# Altium PCB focDriver.PcbDoc (part 1 of 2)
Units mil, origin at the board's own origin, x right, y up, seen from the top; angles counter-clockwise.
Board outline 2559.06 x 1574.8 mil, 4 copper layers (Top Layer, Power, Gnd, Bottom Layer), stack 23.756 mil thick; 219 components, 171 nets, 804 pads, 460 vias.
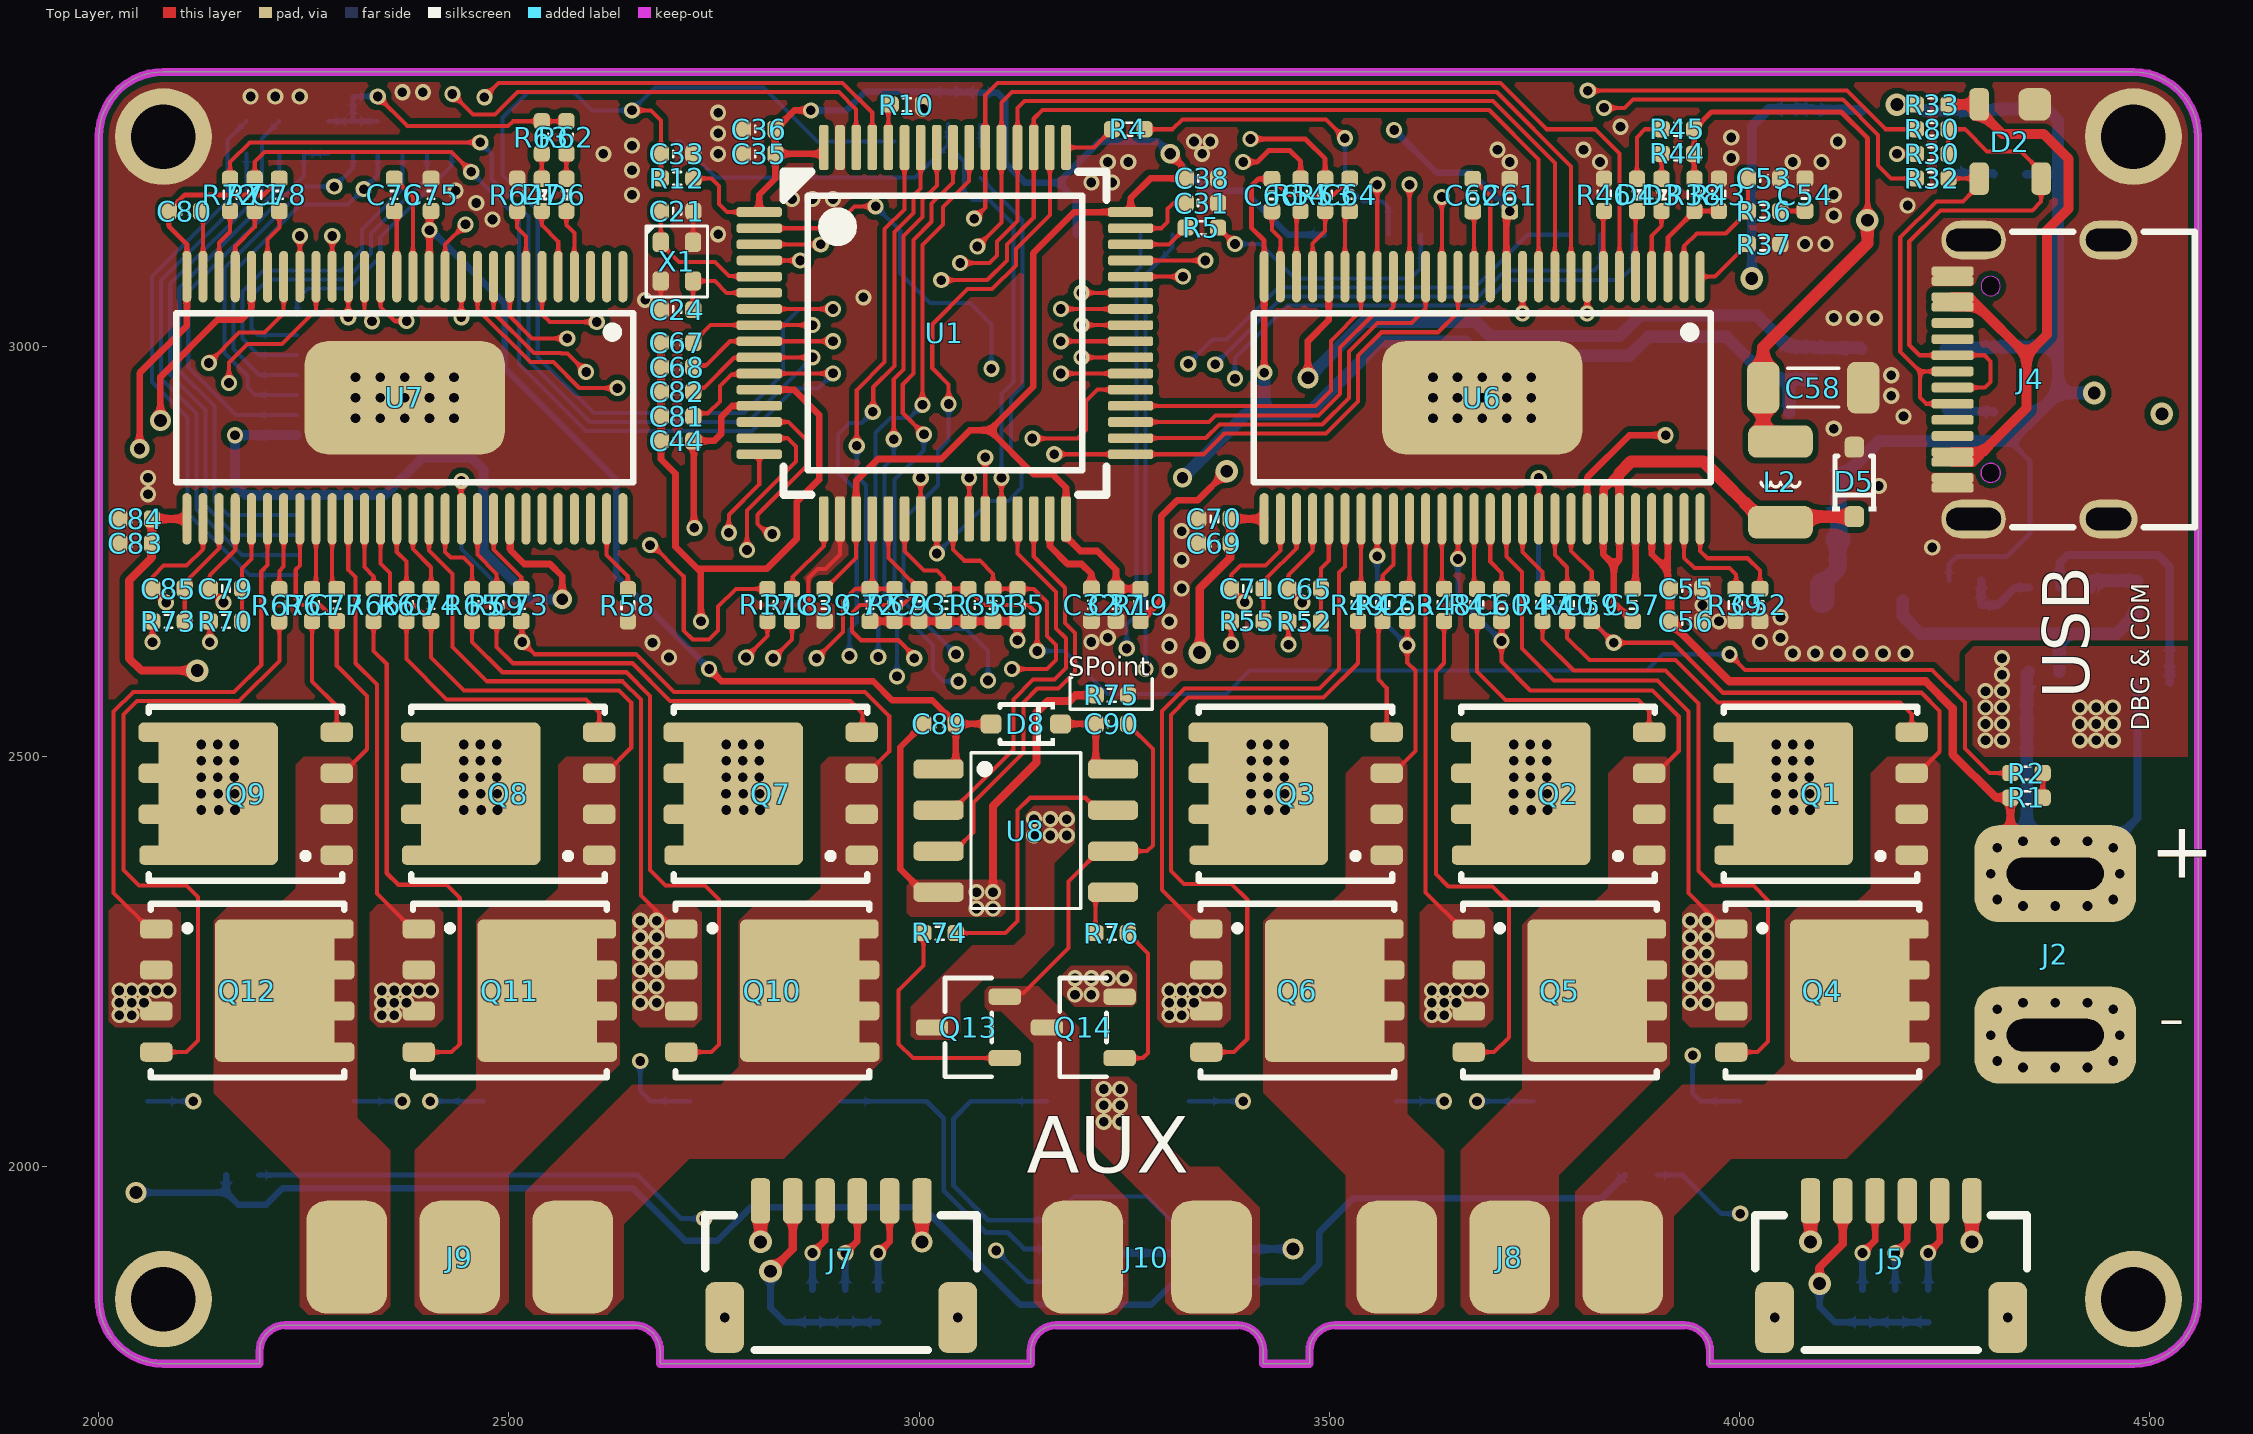
[diagram p0: Top Layer view]
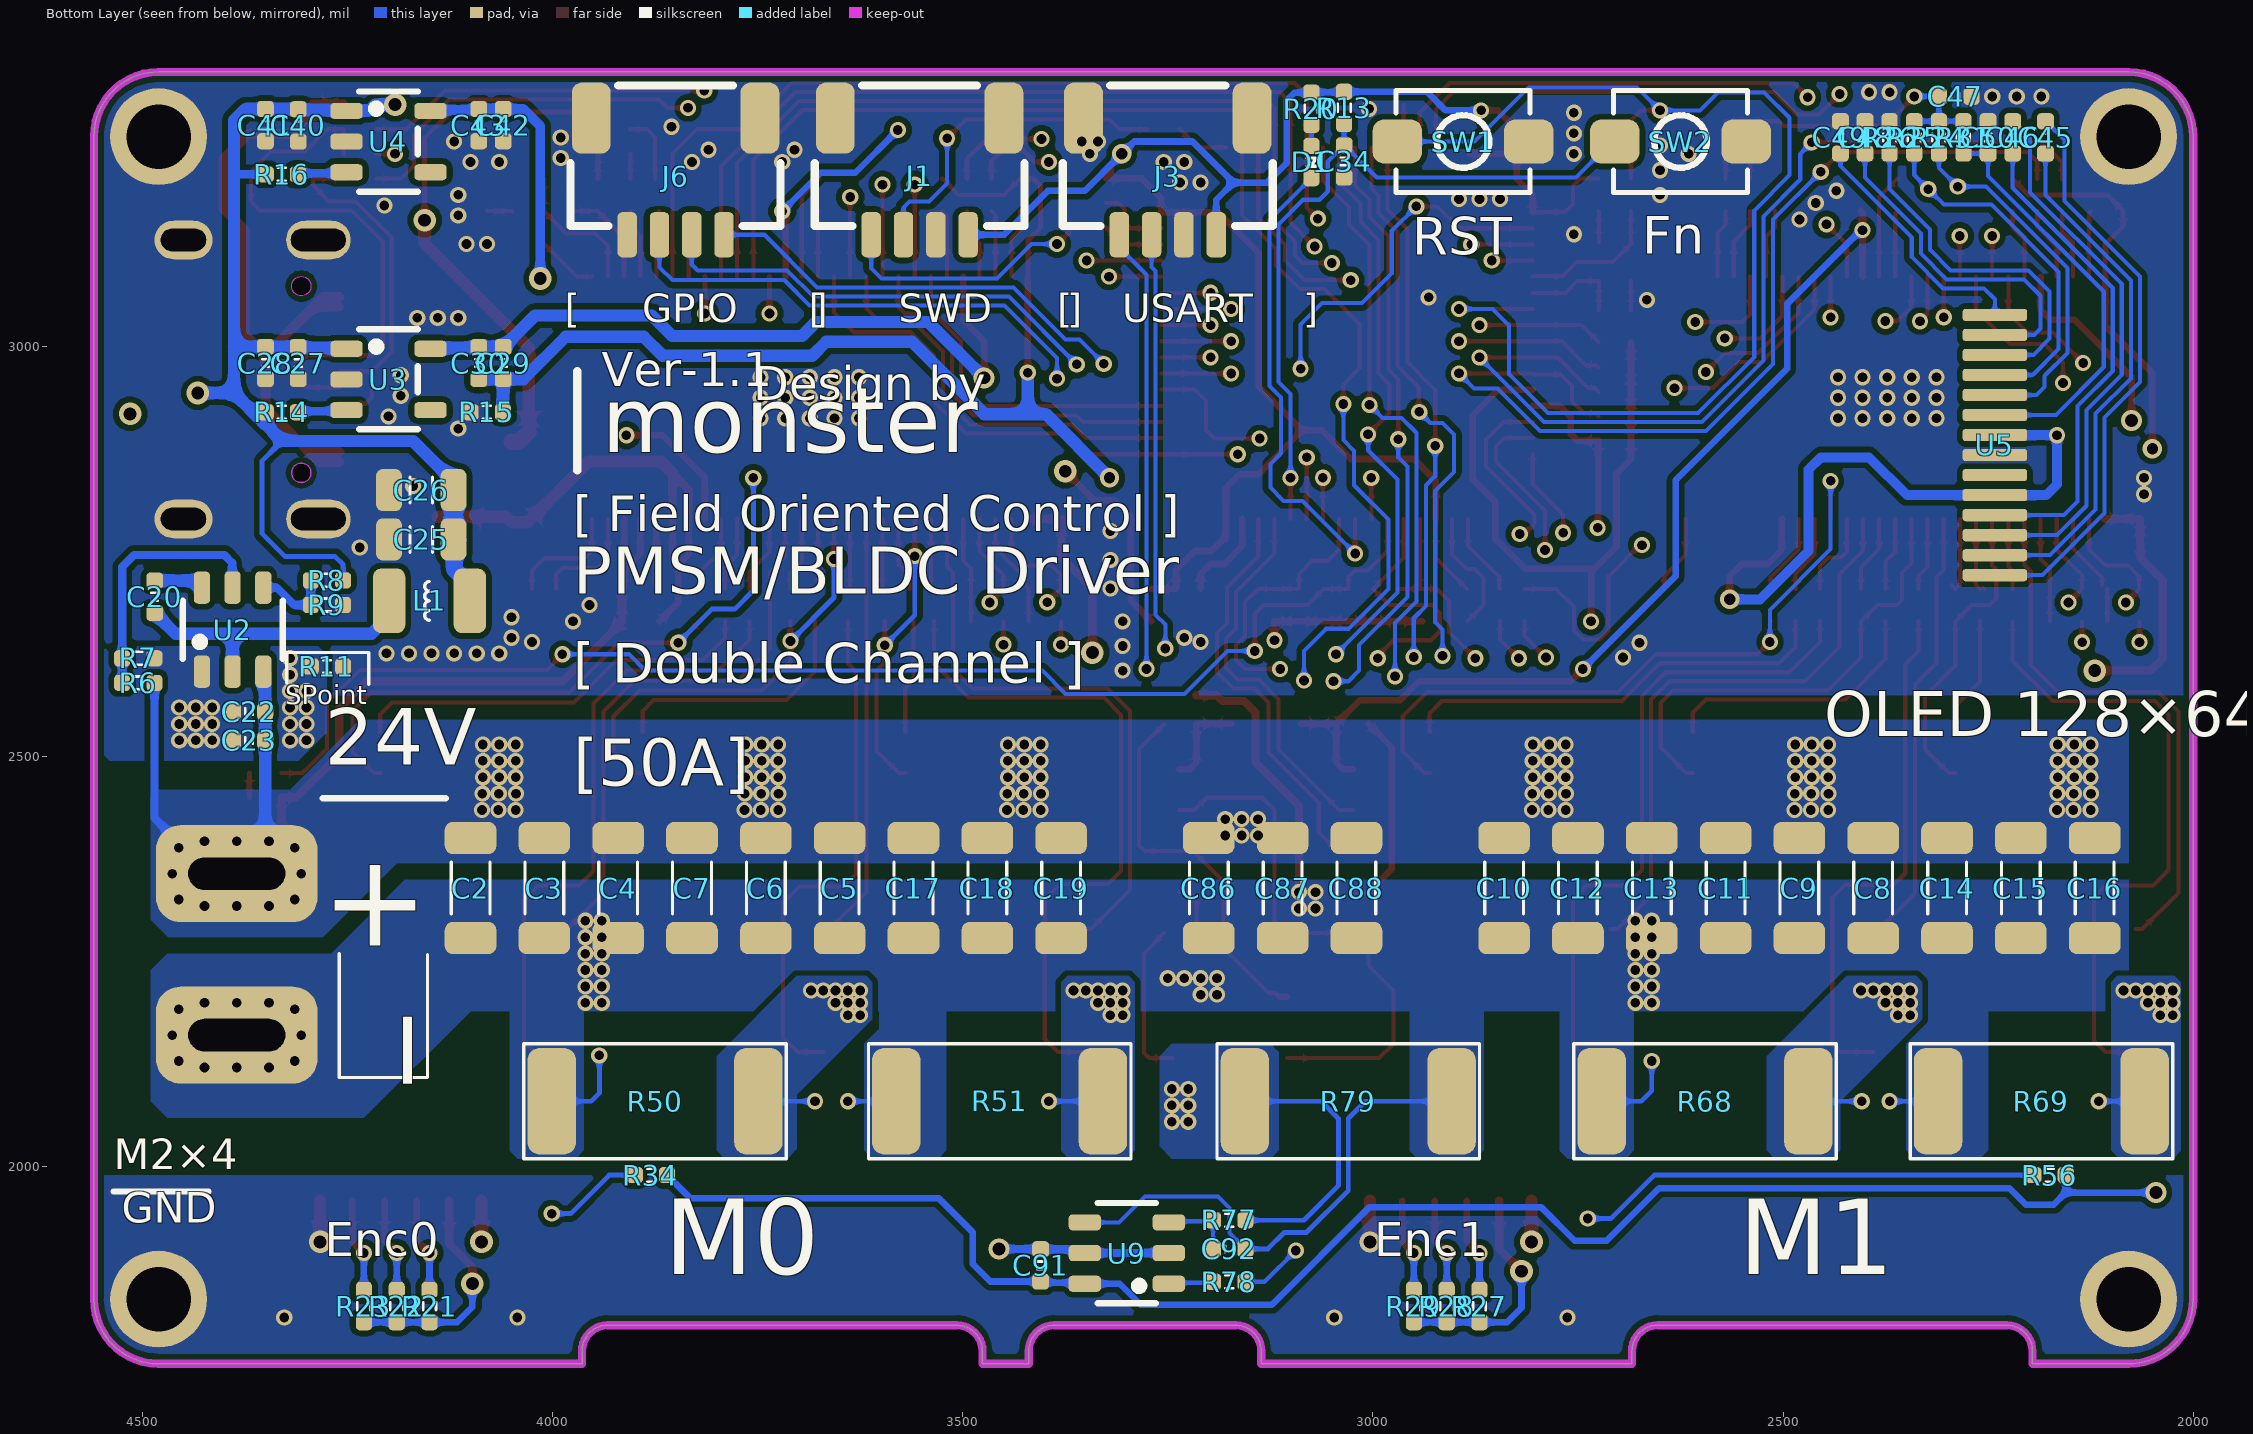
[diagram p1: Bottom Layer view, seen from below]
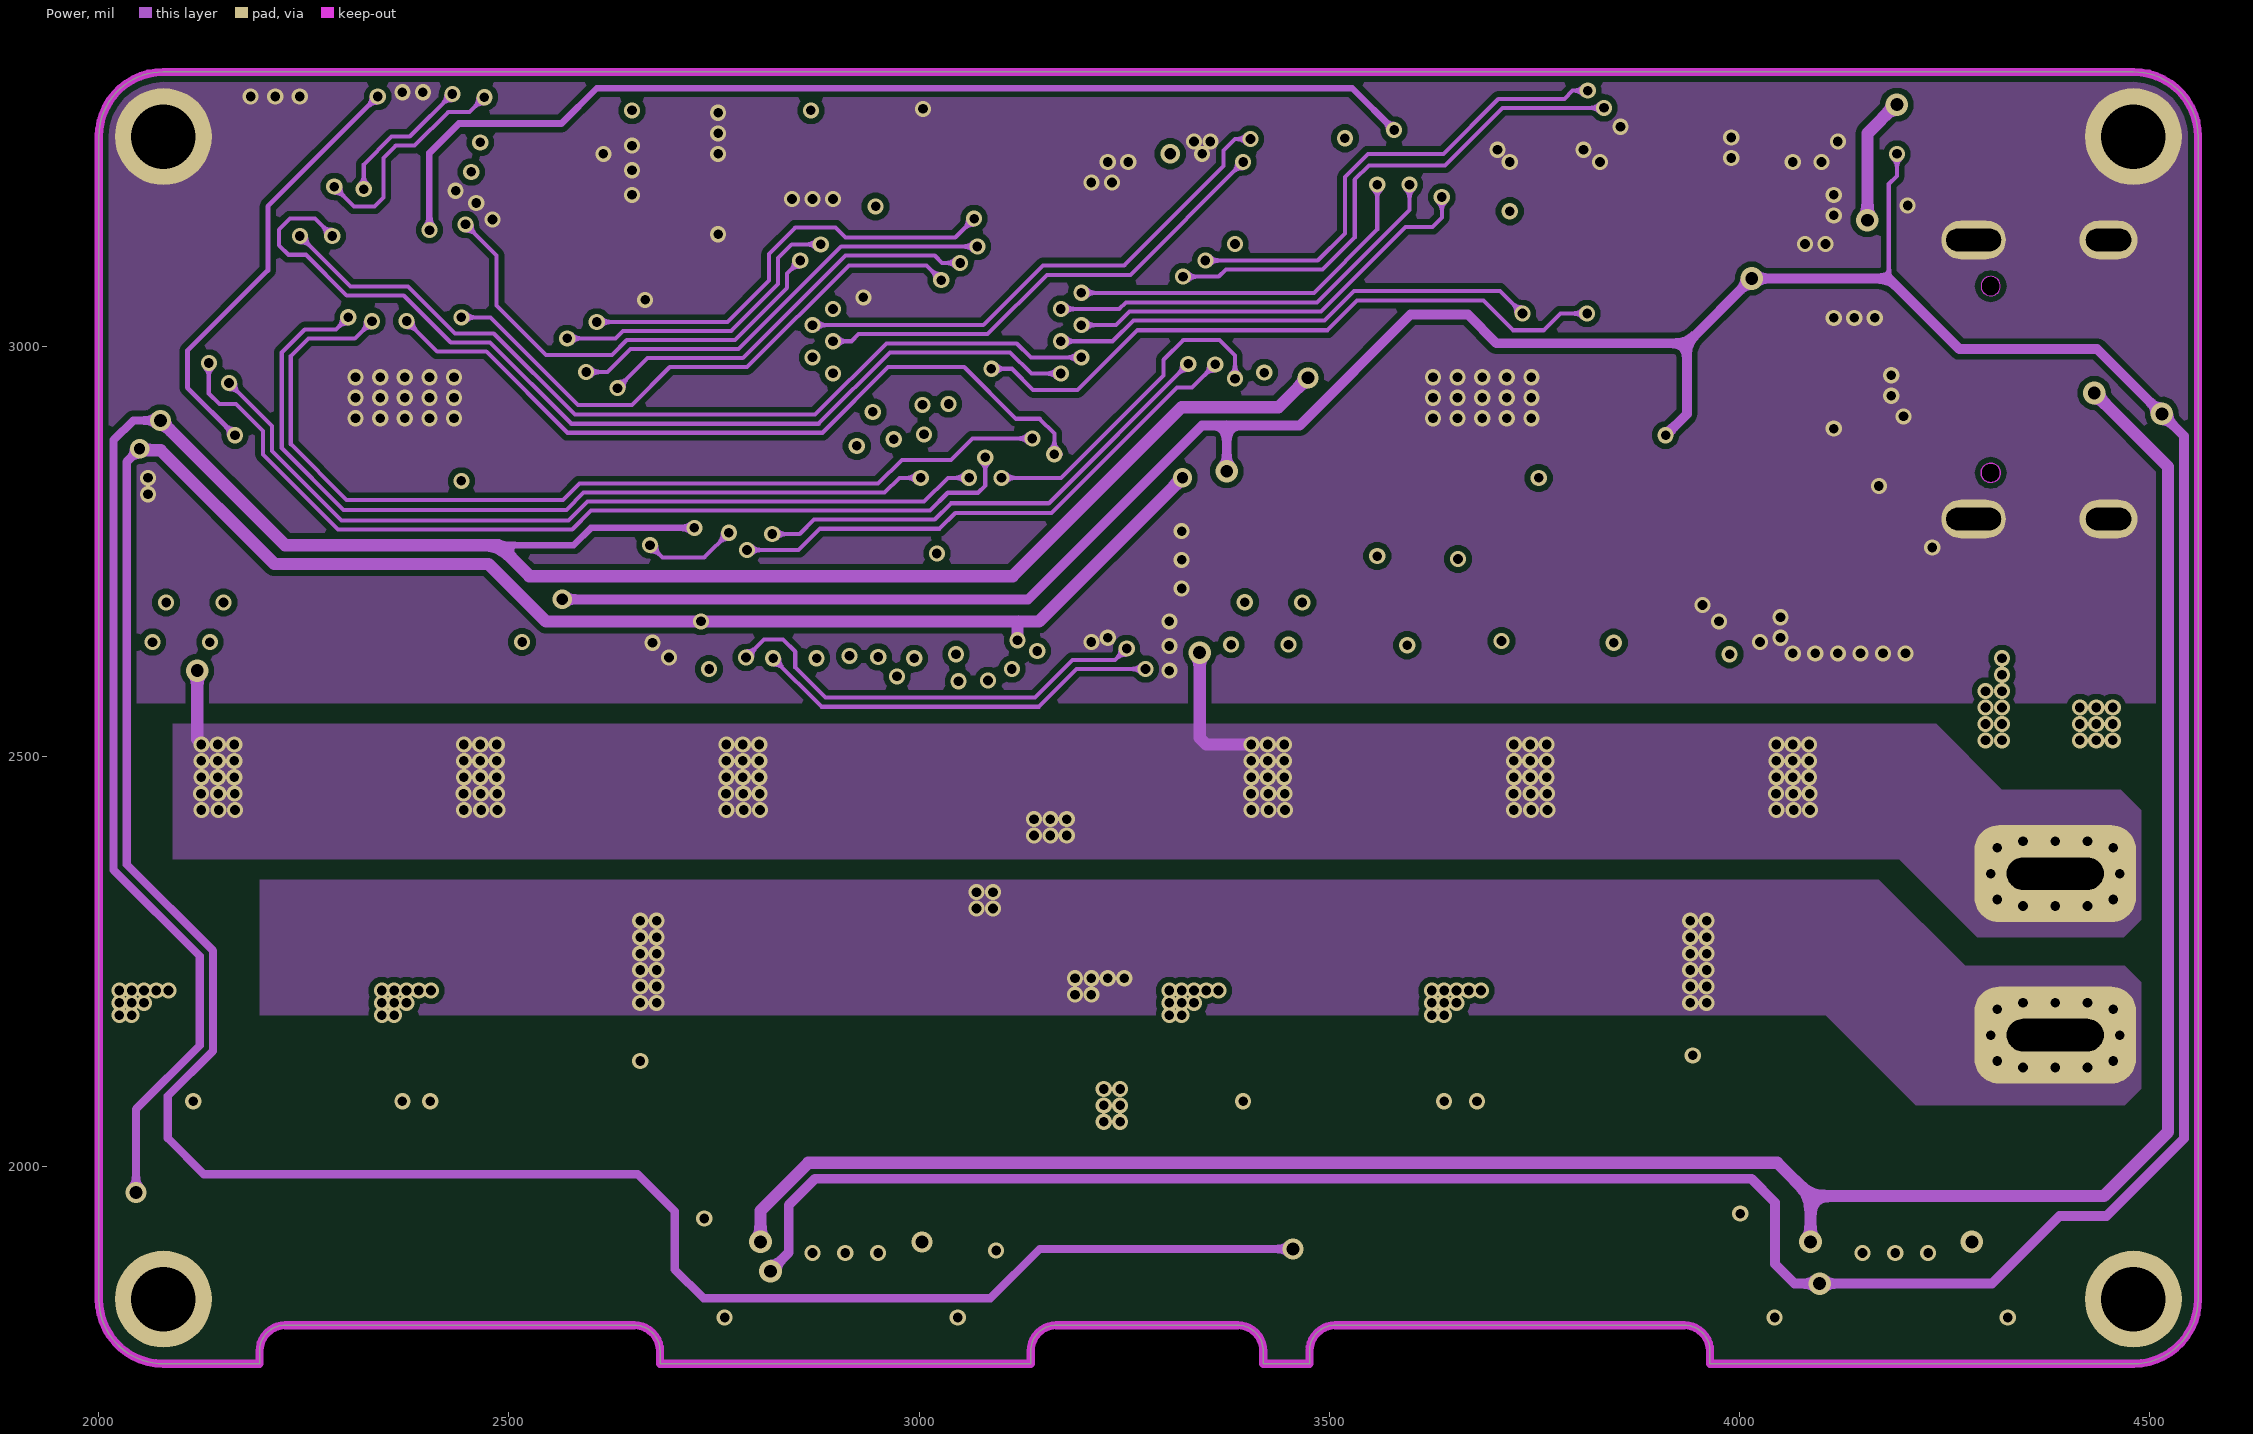
[diagram p2: Power]
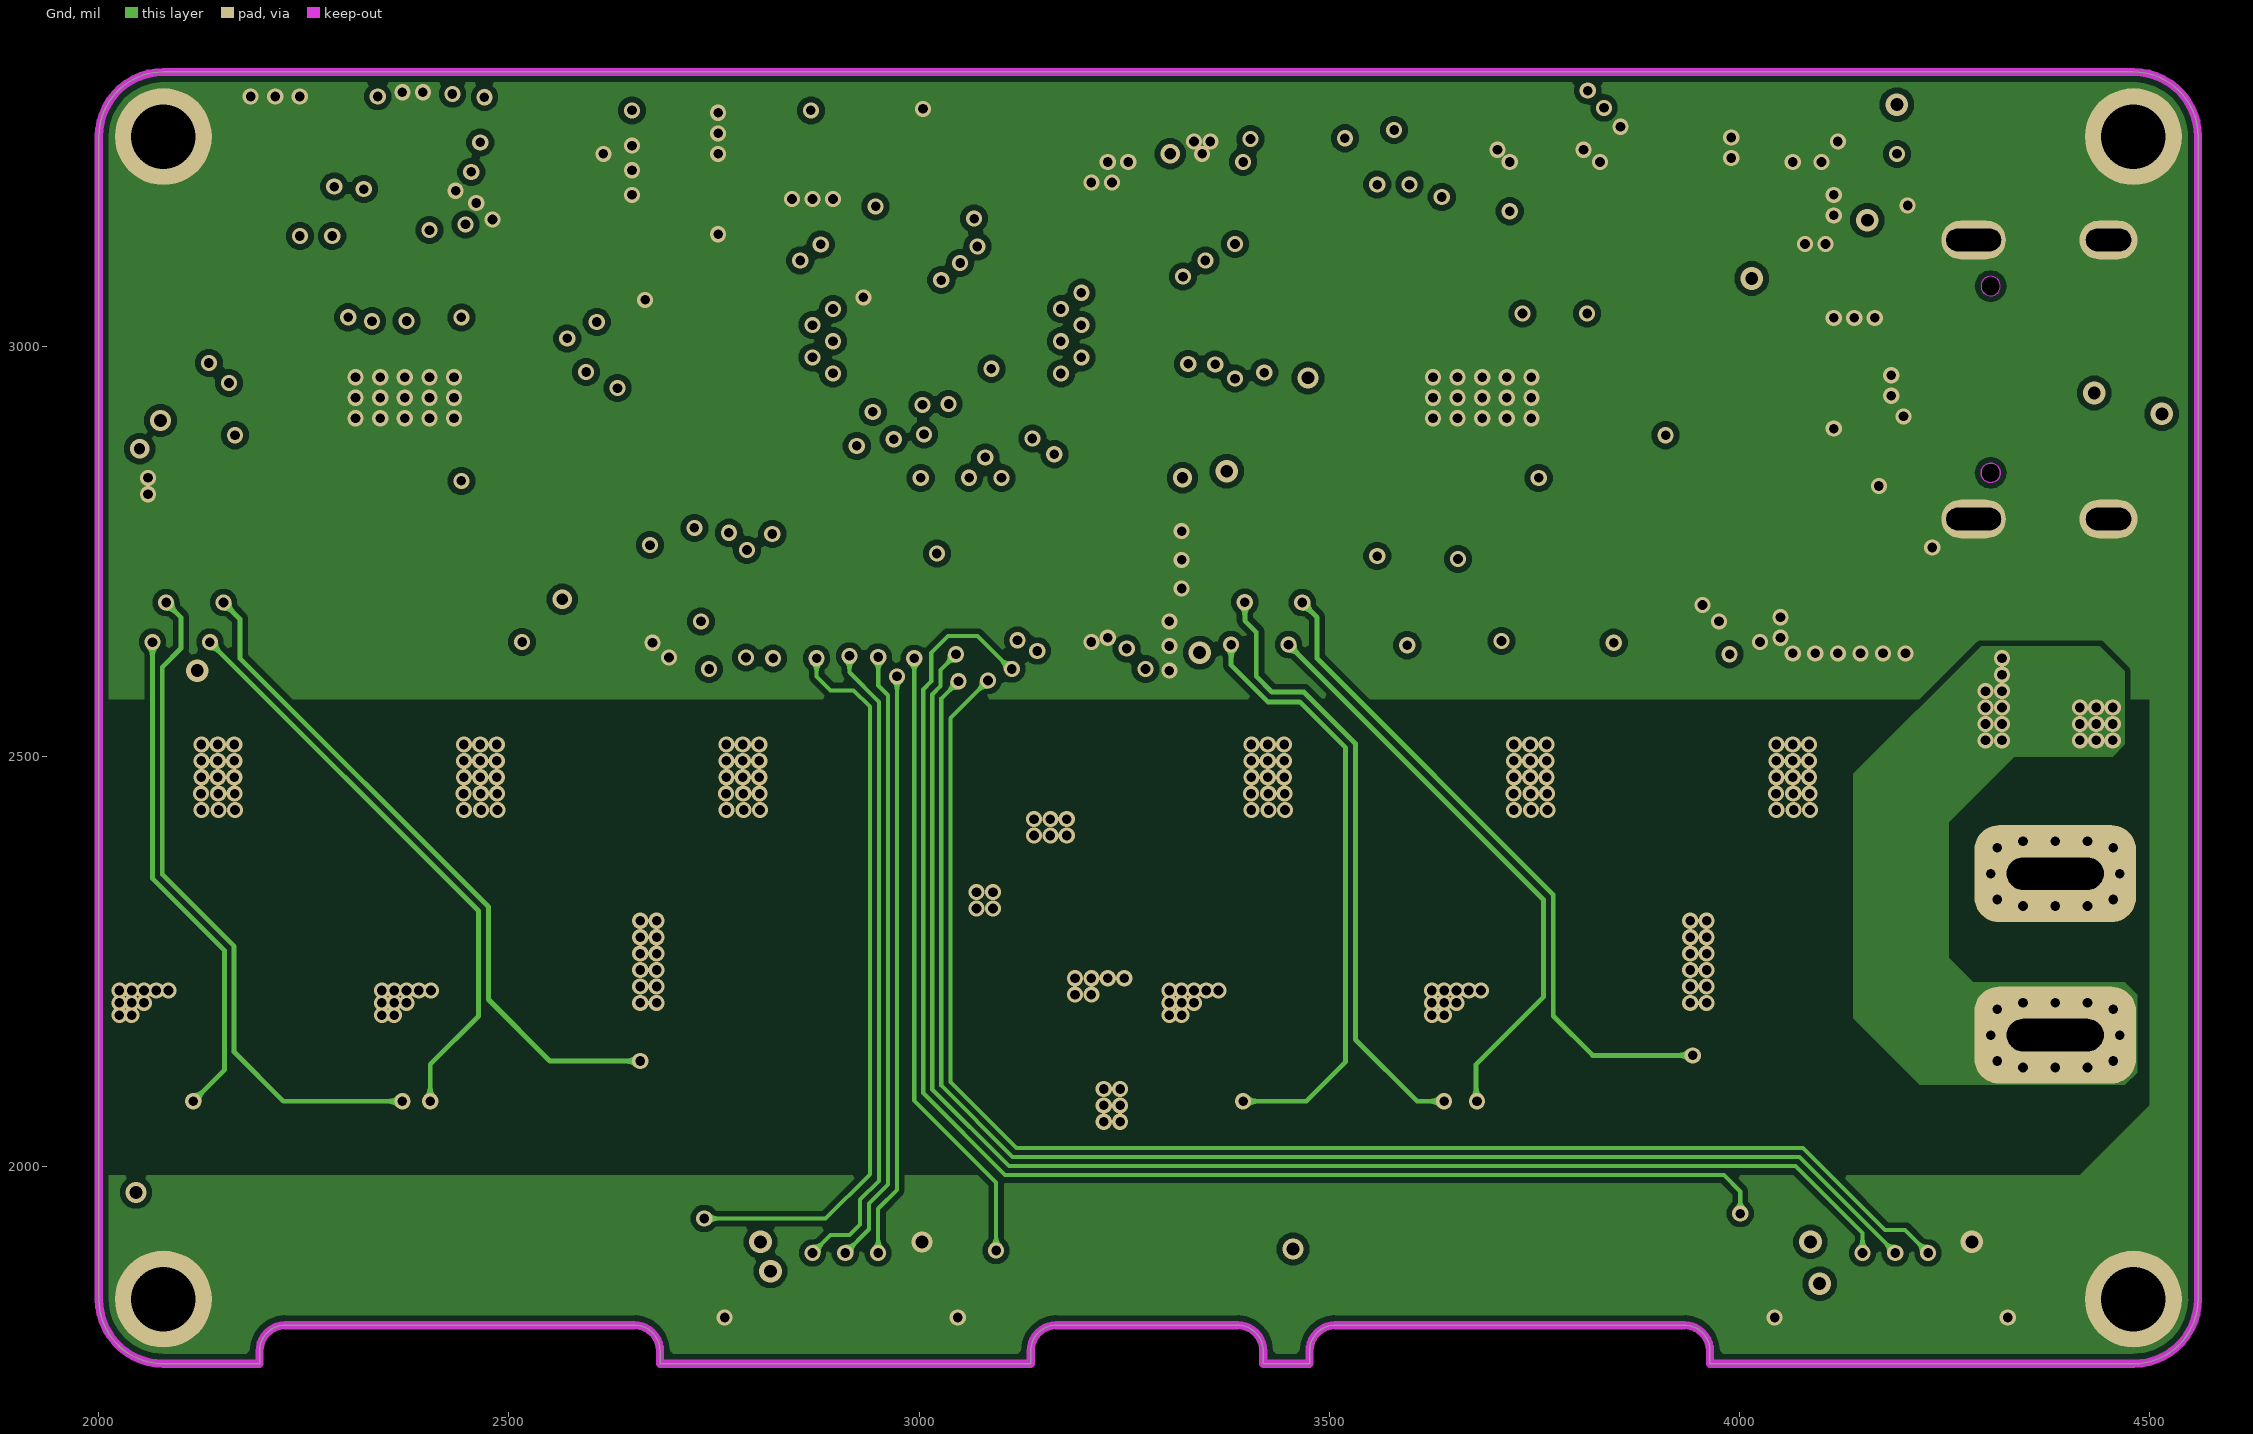
[diagram p3: Gnd]